# KiCad board ETH1CLCR2.kicad_pcb (continued)
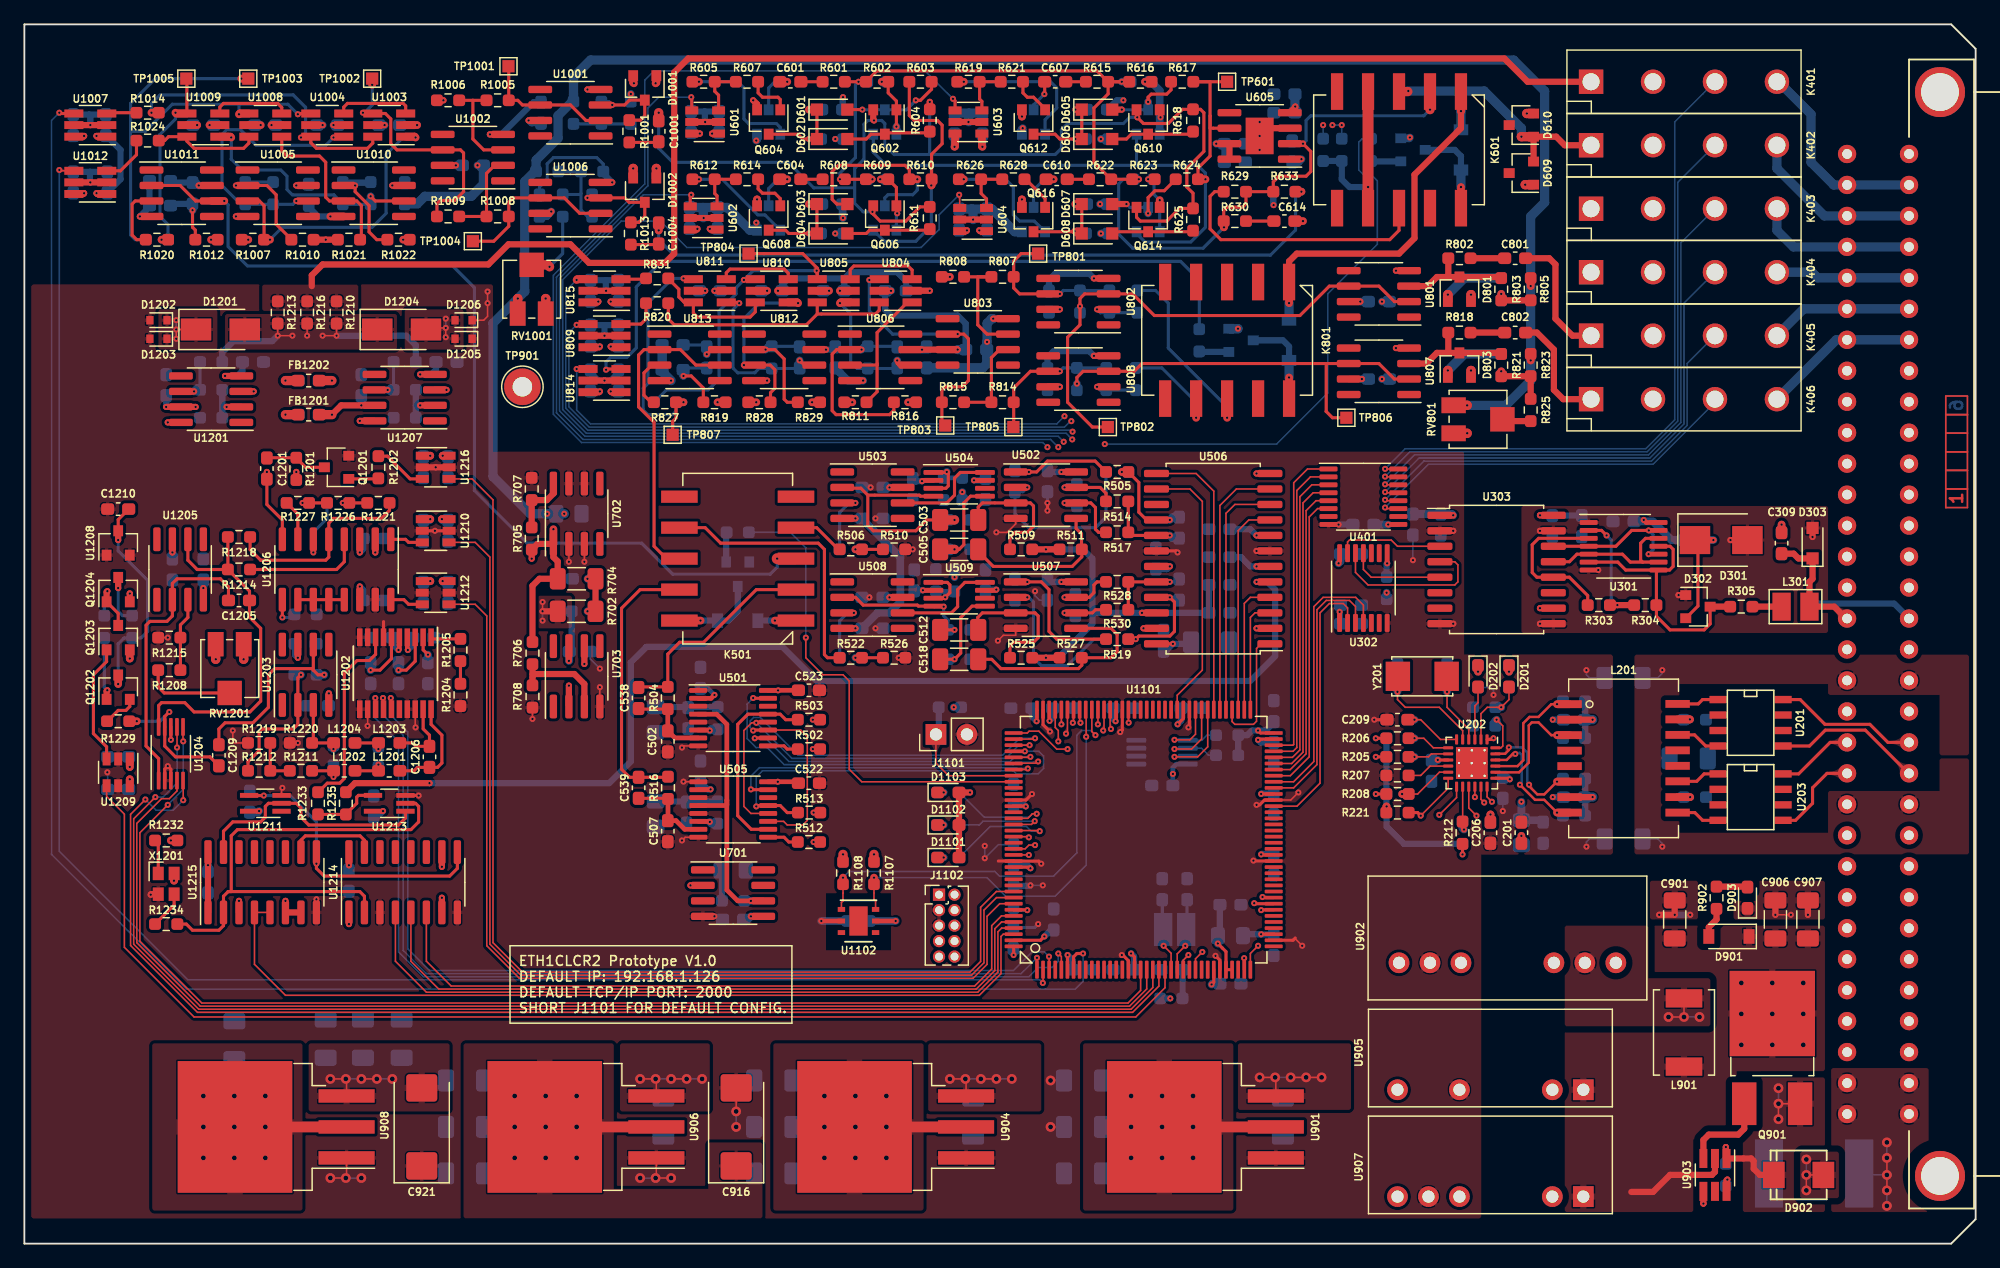
[diagram p0: board, top side]
## Copper pours and planes (outline as drawn; the poured copper is in the pictures) (continued)
Net-(C902-Pad1) on In2.Cu: 118.94,15.54 109.42,15.54 109.42,10.71 98.37,10.71 98.37,20.11 105.48,20.11 105.48,30.14 118.94,30.14
Net-(C908-Pad1) on Top: 83.38,10.84 74.11,10.84 74.11,16.43 83.38,16.43
Net-(C908-Pad1) on Bottom: 83.38,10.84 74.11,10.84 74.11,16.43 83.38,16.43
Net-(C908-Pad1) on In2.Cu: 118.94,2.59 74.11,2.59 74.11,14.27 81.73,14.27 81.73,6.27 98.37,6.27 98.37,10.46 109.67,10.46 109.67,15.29 118.94,15.29
Net-(C912-Pad1) on Top: 56.2,10.84 48.84,10.84 48.84,16.43 56.2,16.43
Net-(C912-Pad1) on Bottom: 56.2,10.84 48.84,10.84 48.84,16.43 56.2,16.43
Net-(C912-Pad1) on In3.Cu: 57.73,6.27 113.74,6.27 113.74,2.59 46.55,2.59 46.55,14.91 57.73,14.91
Net-(C917-Pad2) on Top: 22.8,2.71 10.48,2.71 10.48,16.43 22.8,16.43
Net-(C917-Pad2) on Bottom: 22.8,2.71 10.48,2.71 10.48,16.43 22.8,16.43
Net-(C917-Pad2) on In4.Cu: 20.52,6.27 104.85,6.27 104.85,9.95 118.94,9.95 118.94,2.59 13.91,2.59 13.91,12.87 20.52,12.87
Net-(C1201-Pad1) on In3.Cu: 35.25,67.48 27.5,67.48 27.5,62.15 18.23,62.15 18.23,71.67 35.25,71.67
Net-(C1235-Pad1) on In2.Cu: 33.73,69.39 15.56,69.39 15.56,71.93 33.73,71.93
Net-(D902-Pad1) on Top: 147.65,2.59 140.91,2.59 140.91,13.64 147.65,13.64
Net-(D902-Pad1) on Bottom: 147.65,2.59 140.91,2.59 140.91,13.64 147.65,13.64
Net-(D1201-Pad2) on Top: 30.55,73.33 16.45,73.33 16.45,76.25 30.55,76.25
Net-(D1201-Pad2) on Bottom: 30.55,73.33 16.45,73.33 16.45,76.63 30.55,76.63
Net-(L901-Pad2) on Top: 133.17,21.76 138.25,21.76 138.25,17.83 126.31,17.83 126.31,26.08 133.17,26.08
Net-(L901-Pad2) on Bottom: 133.17,21.76 138.25,21.76 138.25,17.83 126.31,17.83 126.31,26.08 133.17,26.08

Small or netless copper shapes (teardrops, artwork), in the pictures only: 258 on Top, 192 on Bottom, 42 on In3.Cu

## Text on the board
Bottom: 6
B.Silkscreen: TRIG_HI | RX+ | RX- | TRIG_0V | TX+ | TX- | GND | +24V
Top: 1
F.Silkscreen: ETH1CLCR2 Prototype V1.0 / DEFAULT IP: 192.168.1.126 / DEFAULT TCP/IP PORT: 2000 / SHORT J1101 FOR DEFAULT CONFIG.
In1.Cu: 2
In2.Cu: 3
In3.Cu: 4
In4.Cu: 5
